# Altium PCB PCB1.PcbDoc
Units mm, origin at the board's own origin, x right, y up, seen from the top; angles counter-clockwise.
Board outline 152.4 x 101.6 mm, 2 copper layers (Top Layer, Bottom Layer); 16 components, 15 nets, 77 pads, 6 vias.
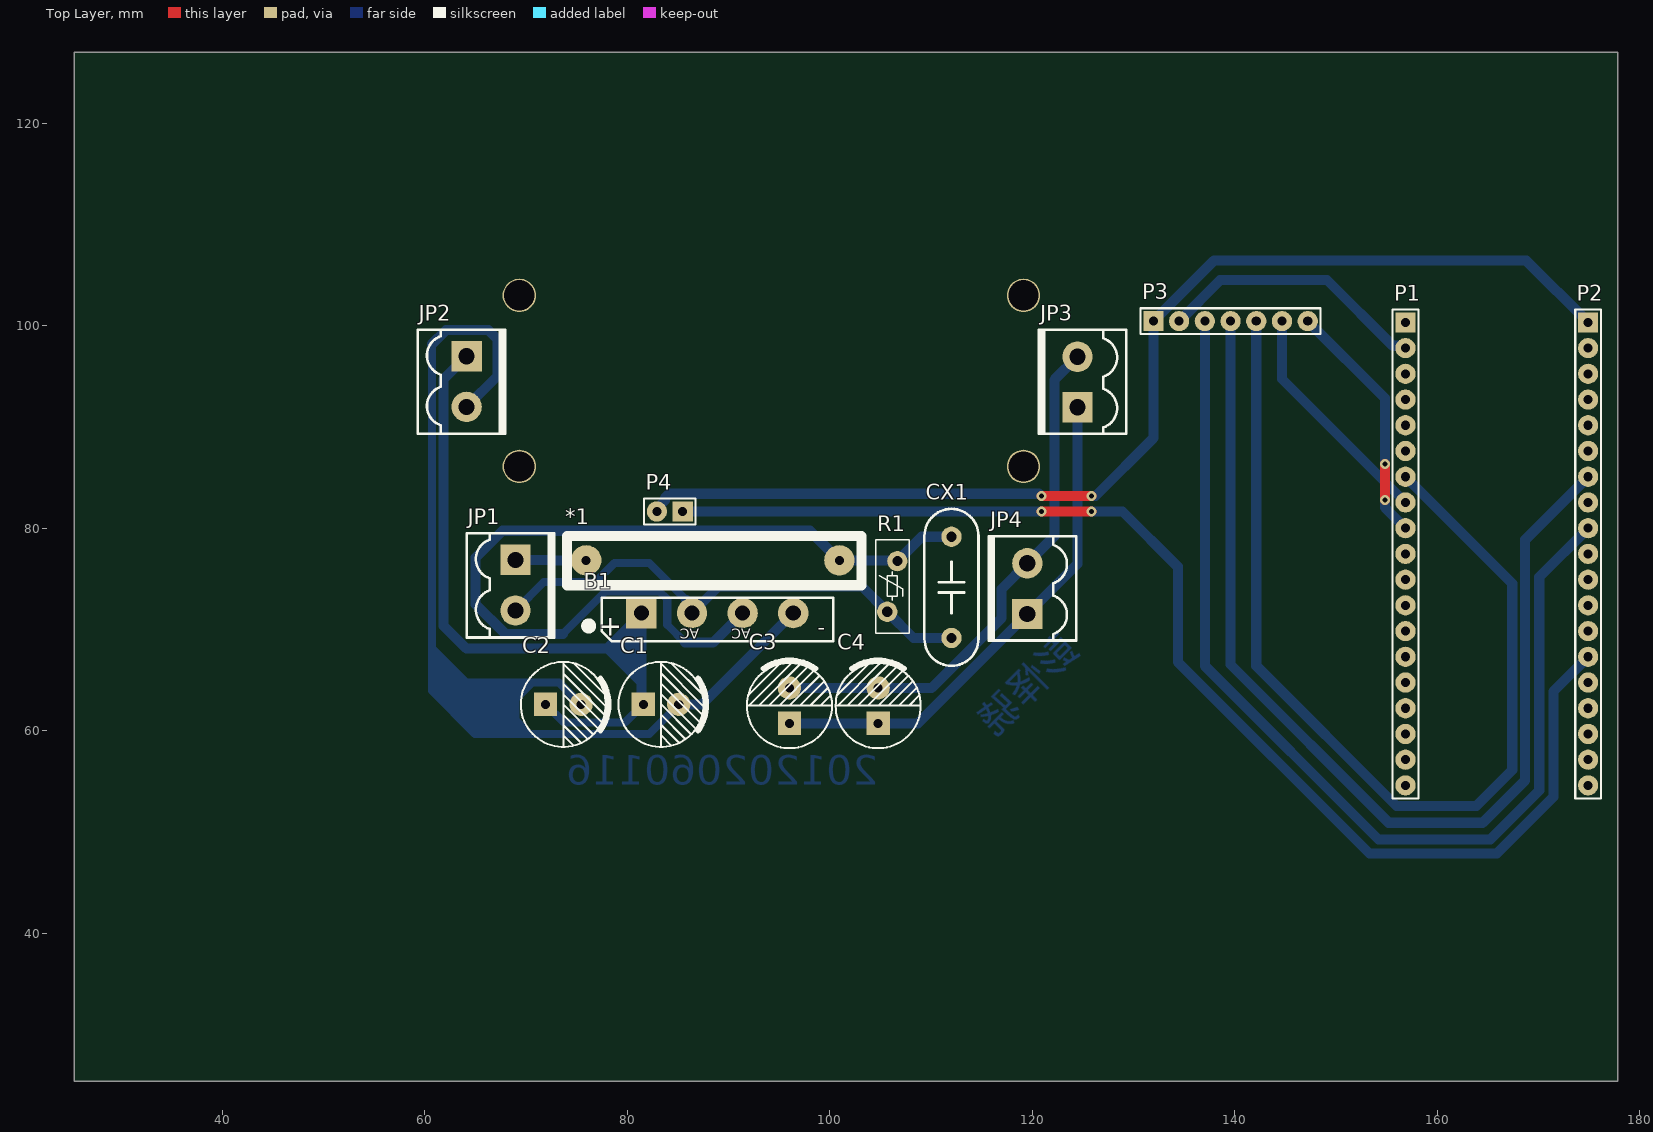
[diagram p0: Top Layer view]
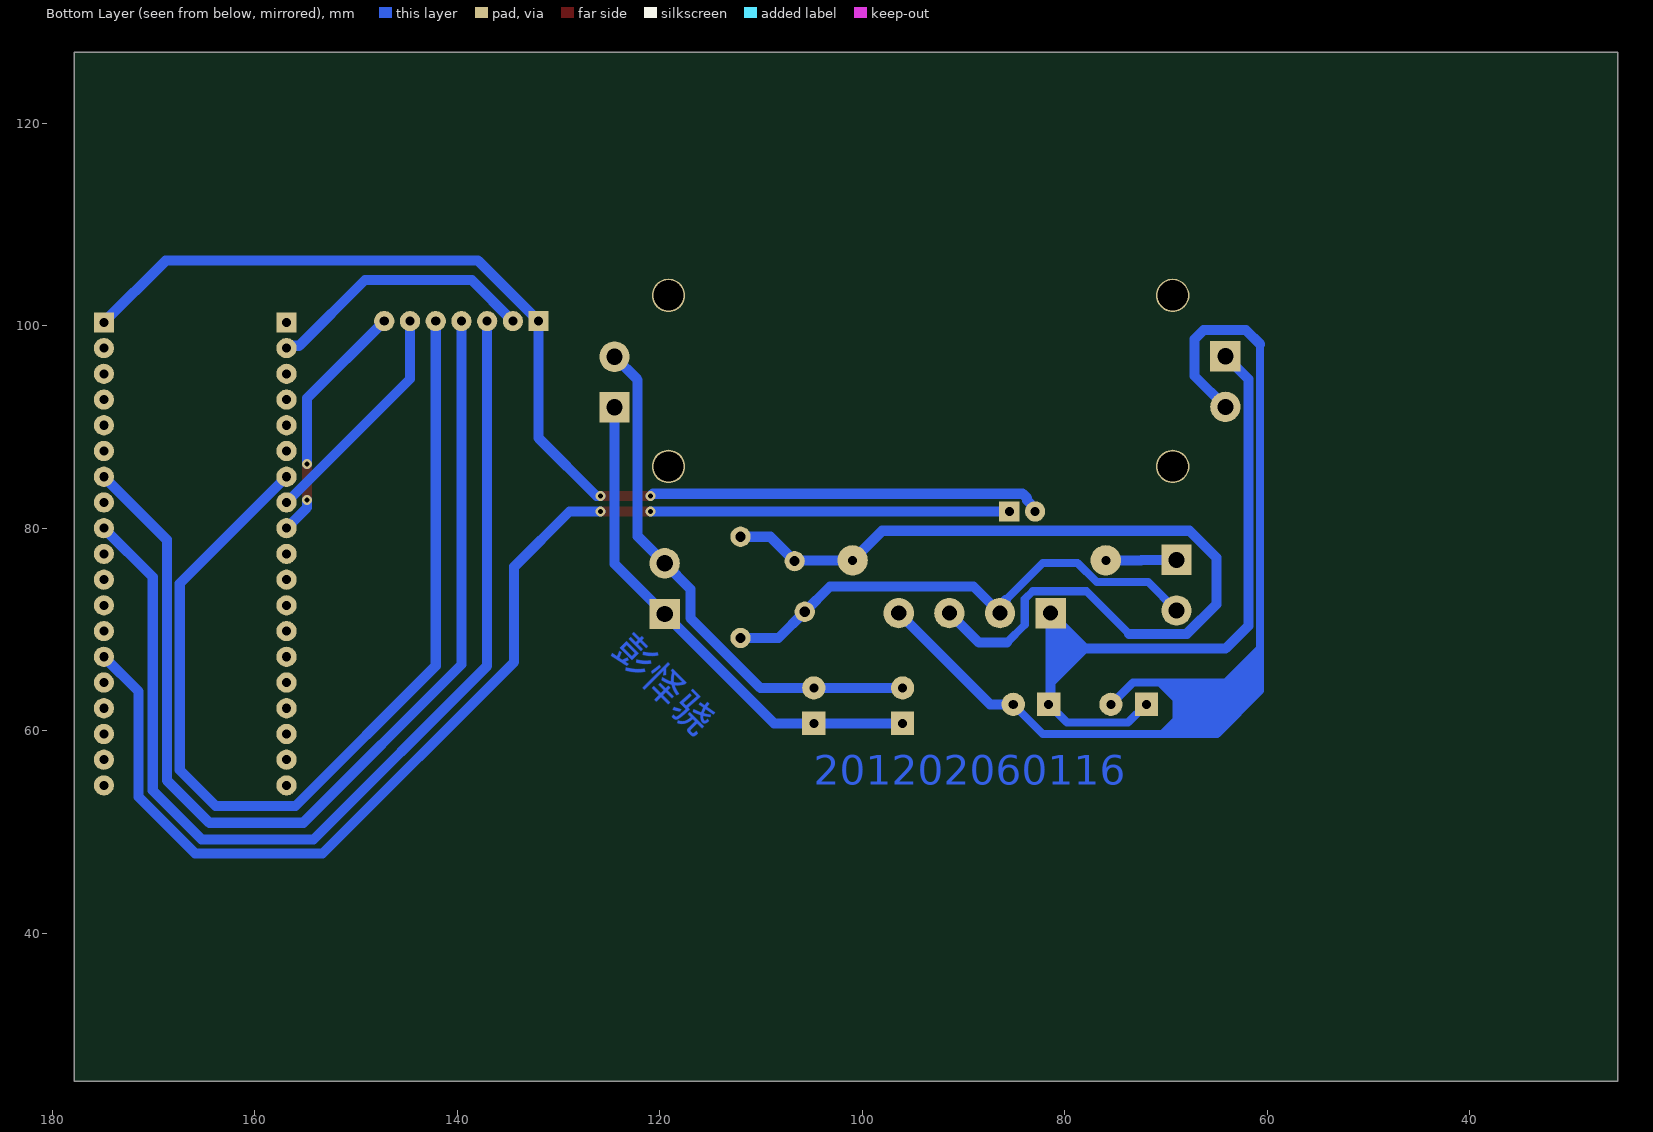
[diagram p1: Bottom Layer view, seen from below]

## Layer stack, top to bottom
Top Solder: solder mask 0.0102, Solder Resist, Dk 3.5
Top Layer: signal copper 0.0356
Dielectric 1: dielectric 0.32, FR-4, Dk 4.8
Bottom Layer: signal copper 0.0356
Bottom Solder: solder mask 0.0102, Solder Resist, Dk 3.5

## Board outline
25.4,25.4 177.8,25.4 177.8,127 25.4,127

## Design rules (kind name [scope] priority, off if disabled: settings)
Clearance [All] p1: gap=0.254 ignorepadtopadclearanceinfootprint=FALSE except(0: Arc-Hole Track-Hole SMDPad-Hole THPad-Hole Via-Hole Fill-Hole Poly-Hole Region-Hole Text-Hole)
PolygonConnect [All] p1: connectstyle=Relief reliefconductorwidth=0.254 reliefentries=4 polygonreliefangle="90 Angle" airgapwidth=0.254
RoutingVias [All] p1: holewidth=0.711 width=1.27 viastyle="Through Hole" minholewidth=0.711 minwidth=1.27 maxholewidth=0.711 maxwidth=1.27
SolderMaskExpansion [All] p1: expansion=0.102 istentingtop=FALSE
Width [All] p1: maxlimit=2 minlimit=0.8 preferedwidth=0.8
30 further rules are at their usual default settings.

## Components (designator, comment, footprint, x,y, rotation, side; value= is the part's Value field where it differs from the comment)
*1 "bxs" bxs 75.946,76.835 r0 top
B1 "DB" GBU 88.893,71.628 r180 top
C1 "10uF" "CAP 3.5*8*11.5" 83.34,62.611 r0 top
C2 "10uF" "CAP 3.5*8*11.5" 73.688,62.611 r0 top
C3 "10uF" "CAP 3.5*8*11.5" 96.012,62.484 r90 top
C4 "10uF" "CAP 3.5*8*11.5" 104.775,62.484 r90 top
CX1 "0.1uF/275V" "CX 10*13*11" 112.014,74.168 r90 top
JP1 "HDR-1X2" KF2EDGK5.0-LI-2P 68.961,74.382 r270 top
JP2 "HDR-1X2" KF2EDGK5.0-LI-2P 64.135,94.488 r270 top
JP3 "HDR-1X2" KF2EDGK5.0-LI-2P 124.46,94.441 r90 top
JP4 "HDR-1X2" KF2EDGK5.0-LI-2P 119.507,74.041 r90 top
P1 "Header 19" HDR1X19 156.845,100.33 r270 top
P2 "Header 19" HDR1X19 174.879,100.33 r270 top
P3 "Header 7" HDR1X7 131.953,100.457 r0 top
P4 "Header 2" HDR1X2 85.471,81.661 r180 top
R1 "471K" "VDR 9D-4.5" 106.172,71.755 r90 top

## Footprints (in the part's own frame and the unit in brackets; to place one, negate y for a bottom-side part, rotate by r counter-clockwise, add the part's x,y. Pads: shape width x height; smd on the part's side, far side on the other; paste and mask are expansions set on the pad)
bxs [mm]
  round 3 hole 0.889: 1(0,0) 2(25,0)
  silkscreen extent -1.91,-2.46 27.18,2.41
"CAP 3.5*8*11.5" [mm] "脚距3.5mm直径8mm高度11.5mm"
  rect 2.3x2.3 hole 0.9: 1(-1.75,0)
  round 2.3 hole 0.9: 2(1.75,0)
  silkscreen extent -4.2,-4.2 4.5,4.2, body extent -4,-4 4.01,4, height 11.53
"CX 10*13*11" [mm] "脚距10mm高13mm厚11mmhttps://item.taobao.com/item.htm?ft=t&id=613637044352"
  round 2 hole 1: 1(-5,0) 2(5,0)
  silkscreen extent -7.75,-2.67 7.75,2.67, body extent -6.5,-2.5 6.5,2.5, height 11.02
GBU [mm] "整流桥，脚距：5mm/200mil  https://item.taobao.com/item.htm?ft=t&id=613637044352"
  round 3 hole 1.5: AC1(-2.5,0) AC2(2.5,0) DC-(-7.5,0)
  rect 3x3 hole 1.5: DC+(7.5,0)
  silkscreen extent -11.43,-1.52 13.06,2.79, body extent -11,-1.15 11,2.35, height 20.8
HDR1X2 [mm] "Connector; Header; 2 Position"
  rect 2x2 hole 0.9: 1(0,0)
  round 2 hole 0.9: 2(2.54,0)
  silkscreen extent -1.27,-1.27 3.81,1.27
HDR1X7 [mm] "Connector; Header; 7 Position"
  rect 2x2 hole 0.9: 1(0,0)
  round 2 hole 0.9: 2(2.54,0) 3(5.08,0) 4(7.62,0) 5(10.16,0) 6(12.7,0) 7(15.24,0)
  silkscreen extent -1.27,-1.27 16.51,1.27
HDR1X19 [mm] "Connector; Header; 19 Position"
  rect 2x2 hole 0.9: 1(0,0)
  round 2 hole 0.9: 2(2.54,0) 3(5.08,0) 4(7.62,0) 5(10.16,0) 6(12.7,0) 7(15.24,0) 8(17.78,0) 9(20.32,0) 10(22.86,0) 11(25.4,0) 12(27.94,0) 13(30.48,0) 14(33.02,0) 15(35.56,0) 16(38.1,0) 17(40.64,0) 18(43.18,0) 19(45.72,0)
  silkscreen extent -1.27,-1.27 46.99,1.27
KF2EDGK5.0-LI-2P [mm] "立插端子"
  rect 3x3 hole 1.6: 1(-2.5,0)
  round 3 hole 1.6: 2(2.5,0)
  silkscreen extent -5.12,-4.83 5.17,3.81, body extent -5.04,-4.75 5.04,3.75, height 11.25
"VDR 9D-4.5" [mm] "压敏电阻9mm*4.5mm(直径*厚度）https://item.taobao.com/item.htm?ft=t&id=613637044352"
  round 2 hole 1: 1(0,0.5) 2(5,-0.5)
  silkscreen extent -2.11,-1.65 7.11,1.65, body extent -2,-1.5 7,1.5, height 10

## Part data
B1: "整流桥", BOM名称=整流桥, 下单链接=https://item.taobao.com/item.htm?ft=t&id=613637044352, 淘宝ID=小糖豆的小窝窝
C1 C2 C3 C4: library part CE, "直插电解电容", BOM名称=直插电解电容, 下单链接=https://item.taobao.com/item.htm?ft=t&id=613637044352, 淘宝ID=小糖豆的小窝窝
CX1: library part CX, "安规X电容", BOM名称=安规X电容, 下单链接=https://item.taobao.com/item.htm?ft=t&id=613637044352, 淘宝ID=小糖豆的小窝窝
JP1: library part "Header 2", "2P接插件", BOM名称=2P接插件, 下单链接=https://item.taobao.com/item.htm?ft=t&id=613637044352, 淘宝ID=小糖豆的小窝窝
JP2 JP3 JP4: "2P接插件", BOM名称=2P接插件, 下单链接=https://item.taobao.com/item.htm?ft=t&id=613637044352, 淘宝ID=小糖豆的小窝窝
P1 P2: "Header, 19-Pin", LatestRevisionDate=17-Jul-2002, LatestRevisionNote="Re-released for DXP Platform.", Publisher="Altium Limited"
P3: "Header, 7-Pin", LatestRevisionDate=17-Jul-2002, LatestRevisionNote="Re-released for DXP Platform.", Publisher="Altium Limited"
P4: "Header, 2-Pin", LatestRevisionDate=17-Jul-2002, LatestRevisionNote="Re-released for DXP Platform.", Publisher="Altium Limited"
R1: library part R_VSR, "压敏电阻", BOM名称=压敏电阻, 下单链接=https://item.taobao.com/item.htm?ft=t&id=613637044352, 淘宝ID=小糖豆的小窝窝

## Free pads (board coordinates)
  round 3.3 hole 3: 1(69.342,102.997) 2(69.342,86.106) 3(119.126,86.106) 4(119.126,102.997)

## Via types
v1: diameter 1, hole 0.5, Top Layer to Bottom Layer, 6 vias

## Nets (pads, with @x,y where several pads share a name; then routed paths per layer and width w, separated by ;. In a path a pad name is that pad's centre, name@x,y a point inside that pad or via, vN(x,y) a via of type N, cw(c..) or ccw(c..) an arc to the next point about the centre after c; other vN are vias at no path point)
Net*1_1: *1.1 JP1.1 | length 7
  Bottom Layer w1: JP1.1 72.415,76.882 72.462,76.835 *1.1
Net*1_2: *1.2 B1.AC1 CX1.2 R1.2 | length 89.1
  Bottom Layer w0.8: 73.635,69.571 77.851,73.787 83.159,73.787 83.947,72.999 83.947,70.47 85.71,68.707
  Bottom Layer w1: 73.635,69.571 67.945,69.571 65.024,72.492 65.024,77.089 67.691,79.756 98.025,79.756 *1.2 106.592,76.835 R1.2 109.085,79.168 CX1.2 ; 85.71,68.707 88.472,68.707 B1.AC1
NetB1_AC2: B1.AC2 CX1.1 JP1.2 R1.1 | length 50.5
  Bottom Layer w0.8: JP1.2 71.76,74.681 76.838,74.681 78.738,76.581 82.169,76.581 B1.AC2@85.825,72.925
  Bottom Layer w1: B1.AC2@85.825,72.925 B1.AC2 89.009,74.244 103.183,74.244 R1.1 108.259,69.168 CX1.1
NetB1_DC+: B1.DC+ C1.1 C2.1 JP2.1 | length 69.7
  Bottom Layer w0.8: C2.1 73.742,60.807 79.786,60.807 C1.1 ; 77.888,68.123 B1.DC+
  Bottom Layer w1: JP2.1 61.86,94.713 61.86,70.372 64.11,68.123 77.888,68.123 ; B1.DC+ 81.393,62.808 C1.1
NetB1_DC-: B1.DC- C1.2 C2.2 JP2.2 | length 103.5
  Bottom Layer w0.8: 60.706,98.171 60.706,63.957 64.973,59.69 68.961,59.69 ; C2.2 73.279,64.77 70.612,64.77 68.961,63.119 68.961,59.69 ; C1.2 82.169,59.69 68.961,59.69
  Bottom Layer w1: 60.706,98.171 62.103,99.568 66.294,99.568 67.183,98.679 67.183,95.036 JP2.2 ; C1.2 87.376,62.611 B1.DC-
NetC3_1: C3.1 C4.1 JP3.1 JP4.1 | length 50.4
  Bottom Layer w1: C3.1 C4.1 108.7,60.734 JP4.1 124.46,76.494 JP3.1
NetC3_2: C3.2 C4.2 JP3.2 JP4.2 | length 52.7
  Bottom Layer w1: C3.2 C4.2 110.056,64.234 116.967,71.145 116.967,74.001 JP4.2 122.174,79.208 122.174,94.655 JP3.2
NetP1_2: P1.2 P3.2 | length 26.8
  Bottom Layer w1: P3.2 138.557,104.521 149.098,104.521 155.599,98.02 156.615,98.02 P1.2
NetP1_7: P1.7 P3.5 | length 99.8
  Bottom Layer w1: P3.5 142.113,66.421 155.956,52.578 163.83,52.578 167.386,56.134 167.386,74.549 P1.7
NetP1_8: P1.8 P3.6 | length 23
  Bottom Layer w1: P3.6 144.653,94.742 P1.8
NetP1_9: P1.9 P3.7 | length 24.4
  Top Layer w1: v1(154.813,82.804) v1(154.813,86.36)
  Bottom Layer w1: P3.7 154.813,92.837 v1(154.813,86.36) ; v1(154.813,82.804) 154.813,82.042 P1.9
NetP2_1: P2.1 P3.1 P4.2 | length 112
  Top Layer w1: v1(120.904,83.185) v1(125.857,83.185)
  Bottom Layer w1: P4.2 82.931,81.932 83.431,82.432 83.431,82.486 83.717,82.772 83.717,82.973 84.159,83.415 120.674,83.415 v1(120.904,83.185) ; v1(125.857,83.185) 126.238,83.185 131.953,88.9 P3.1 137.922,106.426 168.783,106.426 P2.1
NetP2_7: P2.7 P3.4 | length 103.7
  Bottom Layer w1: P3.4 139.573,66.548 155.194,50.927 164.465,50.927 168.656,55.118 168.656,78.867 P2.7
NetP2_9: P2.9 P3.3 | length 104.1
  Bottom Layer w1: P3.3 137.033,66.421 154.178,49.276 165.227,49.276 170.053,54.102 170.053,75.184 P2.9
NetP2_14: P2.14 P4.1 | length 123.1
  Top Layer w1: v1(120.904,81.661) v1(125.857,81.661)
  Bottom Layer w1: P4.1 v1(120.904,81.661) ; v1(125.857,81.661) 128.905,81.661 134.366,76.2 134.366,66.802 153.289,47.879 165.862,47.879 171.45,53.467 171.45,63.881 P2.14
pads on no net: P1.1 P1.3 P1.4 P1.5 P1.6 P1.10 P1.11 P1.12 P1.13 P1.14 P1.15 P1.16 P1.17 P1.18 P1.19 P2.2 P2.3 P2.4 P2.5 P2.6 P2.8 P2.10 P2.11 P2.12 P2.13 P2.15 P2.16 P2.17 P2.18 P2.19

## Other copper
Bottom Layer:
  region net NetB1_DC+: 81.153,71.374 77.851,68.072 77.851,67.691 81.153,64.389
  region net NetB1_DC-: 69.215,61.341 70.866,59.69 70.739,59.563 68.453,59.563
  region net NetB1_DC-: 60.96,68.326 61.087,68.326 64.516,64.897 64.237,64.618 60.833,64.618
  region net NetB1_DC-: 60.96,65.278 61.087,65.151 70.866,65.151 68.707,62.992 68.961,62.738 68.961,59.69 64.643,59.69 60.706,63.627 60.706,63.957
  text "彭怿骁" at 125.488,67.127 h5 r45
  text "201202060116" at 104.775,53.665 h5

## Text inside footprints (layer, text, board x,y; h text height)
B1: Top Overlay "AC" at 87.115,70.104 h1.02 r180; Top Overlay "AC" at 92.195,70.104 h1.02 r180; Top Overlay "+" at 79.495,71.12 h2.03 r180; Top Overlay "-" at 99.561,70.612 h1.52 r180